# Altium PCB BMS_Slave-X+X.PcbDoc (part 2 of 3) (continued)
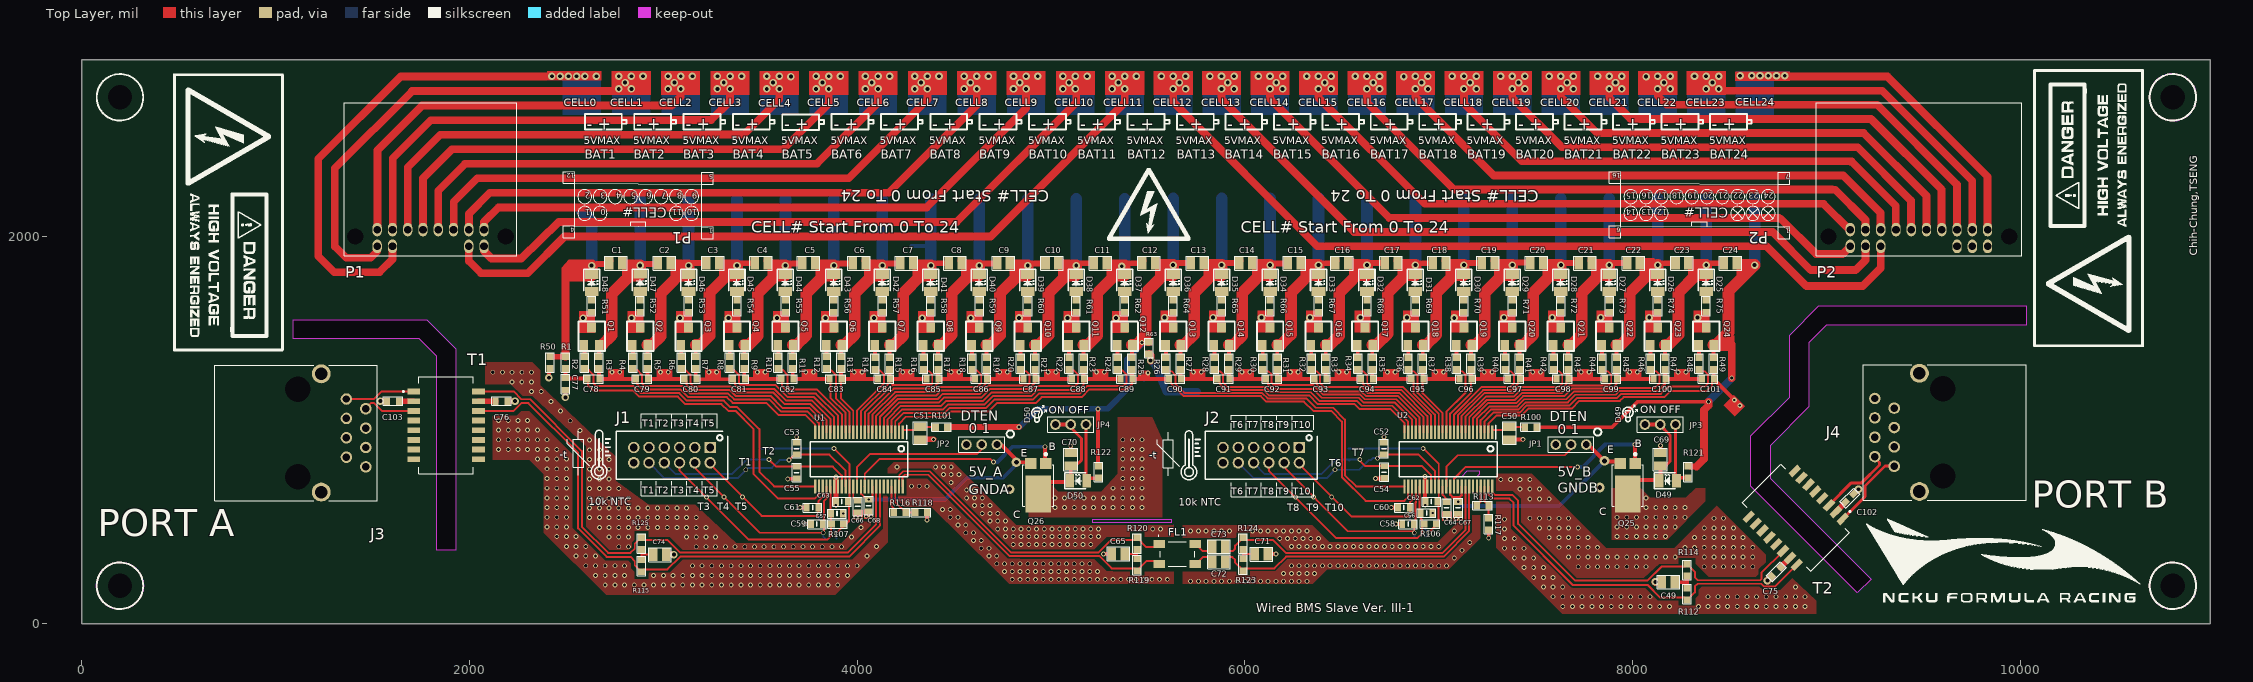
[diagram p0: Top Layer view]
## Nets (pads, with @x,y where several pads share a name; then routed paths per layer and width w, separated by ;. In a path a pad name is that pad's centre, name@x,y a point inside that pad or via, vN(x,y) a via of type N, cw(c..) or ccw(c..) an arc to the next point about the centre after c; other vN are vias at no path point) (continued)
  Top Layer w25: C76.2@2196.5,1149 v2(2234.64,1149) ; C74.2@3016,361 v2@3054.14,361 ; v3(3890,612.79) C63.2@3890,630.66 ; C63.2@3890.68,631.34 v1@3890.68,753.29
  Top Layer w30: C51.2@4325,952.17 v1(4394,952.17)
  other v1: 2700,200 2750,200 2800,200 2850,200 2900,200 2950,200 3000,200 3050,200 3100,200 3150,200 3200,200 3250,200 3300,200 3350,200 3400,200 3450,200 3500,200 3550,200 3600,200 3650,200 3700,200 3750,200 3800,200 3850,200 3900,200 4800,230 4840,230 4880,230 4920,230 4960,230 5000,230 5040,230 5080,230 5120,230 5160,230 5200,230 5240,230 5280,230 5320,230 5360,230 5400,230 5440,230 5480,230 5520,230 5560,230 5600,230 2650,250 2700,250 2750,250 2800,250 2950,250 3000,250 3050,250 3100,250 3150,250 3200,250 3250,250 3300,250 3350,250 3400,250 3450,250 3500,250 3550,250 3600,250 3650,250 3700,250 3750,250 3800,250 3850,250 3900,250 3950,250 4760,270 4800,270 4840,270 4880,270 4920,270 4960,270 5000,270 5040,270 5080,270 5120,270 5160,270 5200,270 5240,270 2600,300 2650,300 2700,300 2750,300 2800,300 3150,300 3200,300 3250,300 3300,300 3350,300 3400,300 3450,300 3500,300 3550,300 3600,300 3650,300 3700,300 3750,300 3800,300 3850,300 3900,300 3950,300 4000,300 4720,310 4760,310 4800,310 4840,310 4880,310 4920,310 4960,310 5000,310 5040,310 5080,310 5120,310 5160,310 5200,310 2550,350 2600,350 2650,350 4050,350 4680,350 4720,350 4640,390 4680,390 2770,398 2820,398 3170,398 3220,398 3270,398 3320,398 3370,398 3420,398 3470,398 3520,398 3570,398 3620,398 3670,398 3720,398 3770,398 3820,398 3870,398 3920,398 2500,400 2550,400 2600,400 4100,400 4805,410 4845,410 4885,410 4925,410 4965,410 5005,410 5045,410 5085,410 5125,410 5165,410 5205,410 4600,430 4640,430 2720,448 2770,448 2820,448 3120,448 3170,448 3220,448 3270,448 3970,448 2450,450 2500,450 2550,450 4765,450 4805,450 4845,450 4885,450 4925,450 4965,450 5005,450 5045,450 5085,450 5125,450 5165,450 5205,450 5245,450 4560,470 4600,470 4725,490 4765,490 4805,490 4845,490 4885,490 4925,490 4965,490 5005,490 5045,490 5085,490 5125,490 5165,490 5205,490 5245,490 5525,490 5565,490 2670,498 2720,498 2770,498 2820,498 2870,498 2920,498 2970,498 3020,498 3070,498 3120,498 3170,498 3220,498 4020,498 2400,500 2450,500 2500,500 4520,510 4560,510 4685,530 4725,530 4765,530 2620,548 2670,548 2720,548 2770,548 2820,548 2870,548 2920,548 2970,548 3020,548 3070,548 3120,548 3170,548 2400,550 2450,550 2500,550 4480,550 4520,550 4645,570 4685,570 4725,570 4440,590 4480,590 2620,598 2670,598 2720,598 2770,598 2820,598 2870,598 2920,598 2970,598 3020,598 3070,598 3120,598 2400,600 2450,600 2500,600 4605,610 4645,610 4685,610 2620,648 2670,648 2720,648 2770,648 2820,648 2400,650 2450,650 2500,650 4565,650 4605,650 4645,650 4565,690 4605,690 2620,698 2670,698 2720,698 2770,698 2400,700 2450,700 2500,700 4280,710 4320,710 4360,710 4485,730 2620,748 2670,748 2720,748 2400,750 2450,750 2500,750 4445,770 4485,770 4525,770 2620,798 2670,798 2720,798 2400,800 2450,800 2500,800 4205,810 4405,810 4445,810 4485,810 2620,848 2670,848 2720,848 2350,850 2400,850 2450,850 2500,850 2620,898 2670,898 2150,900 2200,900 2250,900 2300,900 2350,900 2400,900 2450,900 2620,948 2150,950 2200,950 2250,950 2300,950 2350,950 2400,950 2570,998 2150,1000 2200,1000 2250,1000 2300,1000 2350,1000 2520,1048 2150,1050 2200,1050 2250,1050 2300,1050 2470,1098 2420,1148 2320,1198 2370,1198 2220,1248 2270,1248 2320,1248 2120,1298 2170,1298 2220,1298 2270,1298 2320,1298
  other v2: 3054.14,357.5
  other v3: 3992,550 4015.67,550 4047,555 4072,555
  other v6: 4786.96,695
GNDB: C37.2 C38.2 C39.2 C40.2 C41.2 C42.2 C43.2 C44.2 C45.2 C46.2 C47.2 C48.2 C49.2 C50.2 C52.2 C54.2 C56.2 C58.2 C60.2 C62.2 C64.2 C67.2 C69.2 C71.2 C75.2 J2.1 J2.3 J2.5 J2.7 J2.9 JP1.3 R63.1 R117.2 U2.30 U2.31 | length 915.2
  Top Layer w20: C71.2@6116.83,360 C71.2@6118.75,360 v1(6161.33,360) ; v1@6673.66,750.75 C54.2@6718.17,750.75 ; C52.2@6717.5,935.65 v1(6717.5,964) ; v1(6755,600) C60.2@6788.5,600 ; v1(6780,515) C58.2@6810.68,515 ; v1(6930,760) 6930,631.8 6931.14,630.66 6930.8,630.32 6930.8,612.45 v3(6930.46,612.11) ; C56.2@6969.5,564.13 v3(6969.5,572) ; v1(7258,443) R117.2@7258,484 ; C50.2@7365.32,952.17 v1(7434.32,952.17) ; C69.2@8143.88,891.06 v1(8143.88,920)
  Top Layer w40: R63.1@5505,1394.16 5514,1385.16 v2(5514,1359) ; v2(8118.46,216.5) 8151.08,216.5 C49.2@8151.58,216 ; v2(8695.59,223.31) C75.2@8711.93,239.65
  Bottom Layer w40: v2(5514,1359) 5540.73,1331.12 5558,1287.57 ; 5557.4,1287.36 5595.55,1197.17 C37.2@5755,1197.17
  other v1: 7640,90 7690,90 7740,90 7790,90 7840,90 7890,90 7940,90 7990,90 8040,90 8090,90 8140,90 8190,90 8340,90 8390,90 8440,90 8490,90 8540,90 8590,90 8640,90 8690,90 8740,90 8790,90 8840,90 8890,90 7590,140 7640,140 7690,140 7740,140 7790,140 7840,140 7890,140 7940,140 7990,140 8040,140 8090,140 8390,140 8440,140 8490,140 8540,140 8590,140 8640,140 8690,140 8740,140 8790,140 8840,140 8890,140 7540,190 7590,190 7640,190 8840,190 5720,220 5760,220 5800,220 5840,220 5880,220 5920,220 5960,220 6000,220 6040,220 6080,220 6120,220 6160,220 6200,220 6240,220 6280,220 6320,220 7490,240 7540,240 7590,240 6200,260 6240,260 6280,260 6320,260 6360,260 7440,290 7490,290 7540,290 7720,295 7770,295 7820,295 7870,295 7920,295 7970,295 8020,295 8070,295 8370,295 8420,295 8470,295 8520,295 8570,295 8620,295 6240,300 6280,300 6320,300 6360,300 6400,300 6440,300 6480,300 6520,300 6560,300 6600,300 6640,300 6680,300 6720,300 6760,300 6800,300 6840,300 6880,300 6920,300 6960,300 7000,300 7040,300 7080,340 7390,340 7440,340 7490,340 7670,345 7720,345 7770,345 7820,345 7870,345 7920,345 7970,345 8020,345 8070,345 8120,345 8170,345 8220,345 8370,345 8420,345 8470,345 8520,345 8570,345 8620,345 7120,380 7340,390 7390,390 7440,390 7620,395 7670,395 7720,395 7770,395 7820,395 8270,395 8320,395 8370,395 8420,395 8470,395 8520,395 8570,395 8620,395 6240,400 6280,400 6320,400 6360,400 6400,400 6440,400 6480,400 6520,400 6560,400 6600,400 6640,400 6680,400 6720,400 6760,400 6800,400 6840,400 6880,400 6920,400 6960,400 7000,400 7160,420 6180,440 6220,440 6260,440 6300,440 6340,440 6380,440 7340,440 7390,440 7570,445 7620,445 7670,445 7720,445 7770,445 8320,445 8370,445 8420,445 8470,445 8520,445 8570,445 5720,480 5760,480 5800,480 5840,480 5880,480 5920,480 6040,480 6080,480 6120,480 6160,480 6200,480 6240,480 6280,480 6320,480 7080,480 7340,490 7520,495 7570,495 7620,495 7670,495 7720,495 8370,495 8420,495 8470,495 8520,495 7340,540 7470,545 7520,545 7570,545 7620,545 7670,545 8420,545 8470,545 7470,645 7520,645 7570,645 7420,695 7470,695 7520,695 7320,745 7370,745 7420,745 7470,745 6673.66,750.25
  other v3: 7031.23,542.63 7054.9,542.63 7090.23,543.63 7113.9,543.63
  other v6: 7830.96,703.74
ISO_SPI_BOTTOM_N: FL1.1 R120.1 U1.47 | length 1641.5
  Top Layer w10: U1.47@4216.1,708.9 4216.95,709.74 4216.95,766.79 4237.43,787.27 4374.46,787.27 4792.73,369 5245.77,369 5310.27,433.5 5431.98,433.5 R120.1@5444.48,446 ; R120.1@5444.48,444.5 5492.48,396.5 5540.5,396.5 5553.21,409.21 FL1.1@5561.43,409.21
ISO_SPI_BOTTOM_P: FL1.2 R119.1 U1.48 | length 1611.7
  Top Layer w10: U1.48@4235.79,708.9 4234.95,709.74 4234.95,759.33 4244.89,769.27 4367,769.27 4785.27,351 5247.77,351 5312.27,286.5 5431.98,286.5 R119.1@5444.48,274 ; R119.1@5444.48,275.5 5492.48,323.5 5540.5,323.5 5553.21,310.79 FL1.2@5561.43,310.79
ISO_SPI_MED_N: C73.2 FL1.4 | length 123.1
  Top Layer w10: FL1.4@5740.57,409.21 5749.43,409.21 5783.36,375.28 5819.43,375.28 5834.5,390.35 C73.2@5834.5,399.21
ISO_SPI_MED_P: C72.2 FL1.3 | length 123.1
  Top Layer w10: FL1.3@5740.57,310.79 5749.43,310.79 5783.36,344.72 5819.43,344.72 5825.51,338.64 5825.51,329.79 C72.2@5834.5,320.79
ISO_SPI_TOP_N: C73.1 R124.1 U2.41 | length 1599.2
  Top Layer w10: C73.1@5897.5,399.21 5897.5,390.35 5912.57,375.28 5936.42,375.28 5950,388.86 5950,403.5 5991,444.5 6002,433.5 6145,433.5 6213.25,365.25 ; 6213.25,365.46 7017.46,365.46 7138.84,486.84 7138.84,708.06 U2.41@7137.99,708.9
ISO_SPI_TOP_P: C72.1 R123.2 U2.42 | length 1625.8
  Top Layer w10: C72.1@5897.5,320.79 5897.5,329.65 5912.57,344.72 5936.14,344.72 5950,330.87 5950,316.5 5991,275.5 6002,286.5 6152.04,286.5 6213,347.46 6221,347.46 7024.91,347.46 7156.84,479.38 7156.84,708.06 U2.42@7157.68,708.9
ISOSPI_A_N: R125.2 T1.16 U1.41 | length 2959.8
  Top Layer w10: T1.16@2046.52,1199 2227.78,1199 2267.78,1159 2312.28,1159 2580,891.28 2580,501.28 2715.28,366 2830,366 2852.65,388.65 2852.65,413.14 2885.51,446 R125.2@2887.01,446 2899.51,433.5 3021.28,433.5 3087.28,367.5 3950.28,367.5 4097.99,515.21 U1.41@4097.99,708.9
ISOSPI_A_P: R115.1 T1.14 U1.42 | length 3004.7
  Top Layer w10: T1.14@2056.48,1108.96 T1.14@2046.52,1099 2227.78,1099 2267.78,1139 2304,1139 2560,883 2560,493 2707,346 2831,346 2852.65,324.35 2852.65,301.86 2885.51,269 R115.1@2887.01,269 2899.51,281.5 3021.28,281.5 3087.28,347.5 3958.57,347.5 4117.68,506.61 4117.68,708.58 U1.42@4117.99,708.9
ISOSPI_B_N: R112.2 T2.16 U2.47 | length 2032.6
  Top Layer w10: U2.47@7256.1,708.9 7257.01,707.99 7257.01,665.09 7276.1,646 7364.94,646 7386.62,624.32 7386.62,506.6 7692.6,200.62 8078,200.62 8142.62,136 8268.5,136 R112.2@8281,123.5 8282.5,123.5 8322,163 8322,193 8336,207 8664.59,207 8679.28,192.31 8734.8,192.31 T2.16@8847.29,304.8
ISOSPI_B_P: R114.1 T2.14 U2.48 | length 1955.9
  Top Layer w10: U2.48@7275.79,708.9 7275.79,679.37 7289.91,665.25 7378.75,665.25 7410,634 7410,516.28 7702.28,224 8078,224 8150,296 8268.5,296 R114.1@8281,308.5 8282.5,308.5 8322,269 8322,240 8337,225 8658.73,225 8664.59,230.86 8664.59,263.52 T2.14@8776.58,375.51
NetC49_1: C49.1 R112.1 R114.2 | length 124.2
  Top Layer w20: C49.1@8218.42,216 8219.92,214.5 8281,214.5 ; R112.1@8281,185.5 8281,214.5 ; R114.2@8281,246.5 8281,214.5
NetC50_1: C50.1 R100.1 U2.1 | length 188.9
  Top Layer w10: U2.1@7275.79,988.43 7275.79,999.21 7275.01,999.99 7350.16,1000 7365.32,1015.16 7445.09,1015.16 R100.1@7445.58,1014.67
NetC51_1: C51.1 R101.1 U1.1 | length 187
  Top Layer w10: U1.1@4235.79,988.43 4235.79,999.17 4236.69,1000.08 4309.92,1000.08 4325,1015.16 4325.49,1014.67 R101.1@4405.27,1014.67
NetC52_1: C52.1 J2.10 R102.1 U2.33 | length 1199.4
  Top Layer w10: v1(6685,854.72) 6703.94,873.66 C52.1@6713.66,873.66 ; C52.1@6717.5,873.66 6896.5,873.66 6980.51,789.65 U2.33@6980.51,708.9
  Bottom Layer w10: J2.10@5966.26,831.26 6045.52,752 6422,752 v5(6465,795) 6590,795 R102.1@6640,845 ; R102.1@6650,845.5 6650.5,845 6660.22,854.72 v1(6685,854.72)
NetC53_1: C53.1 J1.10 R103.1 U1.33 | length 1216.3
  Top Layer w10: v1(3649,846) 3676.66,873.66 C53.1@3689,873.66 ; C53.1@3688,873.66 C53.1@3689,873.66 ; U1.33@3940.51,708.9 3940.51,789.65 3856.5,873.66 C53.1@3689,873.66
  Bottom Layer w10: J1.10@2926.26,831.26 3005.52,752 3385,752 3425,792 v5(3425,795) 3428,795 3438,805 3560,805 3599.34,844.34 R103.1@3600,845 ; R103.1@3600,843.68 3602.32,846 v1(3649,846)
NetC54_1: C54.1 J2.8 R104.1 U2.32 | length 1072.5
  Top Layer w10: v5(6593,848) 6593,842.24 6621.5,813.74 C54.1@6718.66,813.74 ; C54.1@6718.66,813.23 C54.1@6718.66,813.74 ; U2.32@6960.83,708.9 6960.83,767.36 6914.44,813.74 6760,813.74 C54.1@6718.66,813.74
  Bottom Layer w10: J2.8@6045,831.26 6103.74,772.52 6394.14,772.52 6461.62,840 6469.62,848 v5(6593,848) ; R104.1@6535,846 R104.1@6538.76,842.24
NetC55_1: C55.1 J1.8 R105.1 U1.32 | length 1063
  Top Layer w10: v5(3545,848) 3581.5,811.5 C55.1@3687,811.5 ; C55.1@3687,810.5 C55.1@3687,811.5 ; U1.32@3920.83,708.9 3920.83,765.11 3874.44,811.5 C55.1@3687,811.5
  Bottom Layer w10: J1.8@3005,831.26 3063.74,772.52 3354.14,772.52 3421.62,840 3429.62,848 v5(3545,848)
NetC56_1: C56.1 J2.6 R106.1 U2.29 | length 1248.4
  Top Layer w10: J2.6@6123.74,831.26 6123.74,790.02 6470.76,443 6890.44,443 6913.5,466.06 R106.1@6913.5,515 ; U2.29@6901.77,708.9 6901.77,590.43 6909.42,582.79 6909.42,574.91 C56.1@6906.5,572 ; C56.1@6907.5,572 C56.1@6906.5,572 ; R106.1@6926.5,515 R106.1@6913.5,515 ; C56.1@6906.5,572 6906.5,545.5 6913.5,538.5 R106.1@6913.5,515
  other v5: 6262,654.4
NetC57_1: C57.1 J1.6 R107.1 U1.29 | length 1240
  Top Layer w10: J1.6@3083.74,831.26 3083.74,791.15 3220.49,654.4 v5(3222,654.4) 3222,652.89 3440.32,434.57 3845.9,434.57 3864.41,453.08 R107.1@3864.41,520.09 ; C57.1@3861.77,568.76 U1.29@3861.77,708.9 ; C57.1@3864.41,568.76 R107.1@3864.41,520.09 ; R107.1@3869.5,515 R107.1@3864.41,520.09
NetC58_1: C58.1 J2.4 R108.1 U2.28 | length 1095.6
  Top Layer w10: J2.4@6202.48,831.26 6202.48,807.02 6531.5,478 6866.21,478 v1@6873.94,470.27 ; C58.1@6869.21,510.54 6873.94,505.82 v1@6873.94,470.27 ; C58.1@6873.67,515 6879.3,520.63 6879.3,624.3 6882.09,627.09 U2.28@6882.09,708.9 ; v1(6874.21,470) v1@6873.94,470.27
  Bottom Layer w10: v1(6874.21,470) 6874.21,451.39 R108.1@6875.5,450.11
  other v5: 6353.76,654.4
NetC59_1: C59.1 J1.4 R109.1 U1.28 | length 1107.8
  Top Layer w10: J1.4@3162.48,831.26 3162.48,806.04 3498.52,470 v1(3825,470) 3828.67,473.67 C59.1@3828.67,510.54 ; C59.1@3823.67,515 3828.67,515 3828.67,633.67 3842.09,647.09 U1.28@3842.09,708.9
  Bottom Layer w10: v1(3825,470) 3825,450.5 R109.1@3835.5,440
  other v5: 3313.76,654.4
NetC60_1: C60.1 J2.2 R110.1 U2.27 | length 868.9
  Top Layer w10: J2.2@6281.22,823.18 6549.4,555 6841.5,555 v1(6851.5,565) 6851.5,600 6851.5,627.16 6862.4,638.06 U2.27@6862.4,708.9
  Bottom Layer w10: R110.1@6851.5,530 v1(6851.5,565)
  other v5: 6448,654.4
NetC61_1: C61.1 J1.2 R111.1 U1.27 | length 874.3
  Top Layer w10: J1.2@3241.22,831.26 3241.22,823.18 3507.4,557 3796.08,557 v1(3802.72,563.64) 3802.72,567.28 3801.5,568.5 3801.5,634.58 3822.4,655.48 U1.27@3822.4,708.9
  Bottom Layer w10: v1(3802.72,563.64) 3802.72,538.78 R111.1@3811.5,530
  other v5: 3408,654.4
NetC62_1: C62.1 R102.2 R104.2 R106.2 R108.2 R110.2 U2.34 | length 983.1
  Top Layer w10: v1(6920,905.16) 7000.2,824.96 U2.34@7000.2,708.9 C62.1@7000.2,630.66 ; v1(6948.48,471) 6985,507.52 6980.51,512.01 R106.2@6983.5,515 ; R106.2@6985.5,515 R106.2@6983.5,515 ; C62.1@6993.14,630.66 6999,624.8 6999,530.5 R106.2@6983.5,515
  Bottom Layer w10: R104.2@6535,905 6649.5,905 R102.2@6650,904.5 ; R102.2@6650,905.16 v1(6920,905.16) ; R110.2@6910.5,530 6910.5,508.98 v1(6948.48,471) 6948.48,466.94 6934.5,452.97 R108.2@6934.5,450.11
NetC63_1: C63.1 R103.2 R105.2 R107.2 R109.2 R111.2 U1.34 | length 995.8
  Top Layer w10: v1(3880,905.16) 3960.2,824.96 U1.34@3960.2,708.9 3960.2,651.2 3959,650 3959,636.67 C63.1@3952.99,630.66 ; v1(3892,467) 3928.5,503.5 3928.5,515 3944,515 3957.68,528.68 C63.1@3957.68,630.66
  Bottom Layer w10: R105.2@3495,904.5 R103.2@3600,904.5 ; R103.2@3600,905.68 3600.52,905.16 v1(3880,905.16) ; R111.2@3870.5,530 3881.5,519 3881.5,481.29 3892,470.79 3892,442.5 R109.2@3894.5,440
NetC64_1: C64.1 U2.35 | length 88.1
  Top Layer w10: U2.35@7019.88,708.9 7019.88,665.12 7041,644 C64.1@7041,629.5
NetC65_1: C65.1 R119.2 R120.2 | length 116.5
  Top Layer w10: C65.1@5378.5,361 5444.48,361 ; R119.2@5444.48,335 5444.48,361 ; R120.2@5444.48,385.5 5444.48,361
NetC66_1: C66.1 U1.35 | length 86
  Top Layer w10: U1.35@3979.88,708.9 3979.88,652.12 3990.33,641.67 3998.83,641.67 C66.1@4003,637.5
NetC67_1: C67.1 JP1.1 Q25.2 U2.37 U2.40 | length 1256.4
  Top Layer w10: 7059.25,666.65 U2.37@7059.25,708.9 ; 7118.31,663.31 U2.40@7118.31,708.9 ; JP1.1@7760,923.89 JP1.1@7761.11,925
  Top Layer w12: 7059.25,666.65 7073.91,652 ; 7107,652 7118.31,663.31
  Top Layer w14: 7073.91,652 7100,652 ; v3(7100,630.5) 7100,652 ; 7107,652 7100,652
  Top Layer w20: JP1.1@7760,923.89 7772.11,923.89 v6(7855,841) 7857.65,838.35 Q25.2@7939.38,838.35
  Bottom Layer w20: v3(7100,630.5) 7122.5,608 7622,608 v6(7855,841)
NetC69_1: C69.1 D49.1 JP3.2 JP3.3 Q25.3 | length 627.3
  Top Layer w15: JP3.2@8142.66,1024.72 8193.36,974.02 8193.36,838.36 C69.1@8170.24,815.24
  Top Layer w20: Q25.3@7965,682.17 8025.55,742.72 D49.1@8137.03,742.72 ; JP3.3@8065.14,1039.57 8076.05,1028.66 JP3.2@8142.66,1028.66 ; JP3.2@8142.66,1024.72 JP3.2@8142.66,1028.66 ; D49.1@8143.88,749.57 8143.88,815.24 C69.1@8170.24,815.24 ; JP3.2@8143.88,1039.57 8142.66,1039.57 JP3.2@8142.66,1028.66
  other v1: 7920,450 7970,450 8020,450 8070,450 8120,450 8170,450 7920,500 7970,500 8020,500 8070,500 8120,500 8170,500 8220,500 7920,550 7970,550 8020,550 8070,550 8120,550 8170,550 8220,550 8270,550 8070,600 8120,600 8170,600 8220,600 8270,600 8070,650
NetC70_1: C70.1 D50.1 JP4.2 JP4.3 Q26.3 | length 626.3
  Top Layer w10: Q26.3@4934.46,670.67 Q26.3@4995.6,731.81 ; D50.1@5094.67,731.81 D50.1@5101.52,738.66 ; C70.1@5101.52,817.17 C70.1@5129.5,817.17 ; JP4.2@5101.52,1012.59 JP4.2@5101.52,1028.66
  Top Layer w15: JP4.2@5101.52,1012.59 5157,957.11 5157,844.66 C70.1@5129.5,817.17
  Top Layer w20: Q26.3@4995.6,731.81 D50.1@5094.67,731.81 ; JP4.3@5022.78,1028.66 JP4.2@5101.52,1028.66 ; D50.1@5101.52,738.66 C70.1@5101.52,815.24 C70.1@5101.52,817.17
  other v1: 5020,600 5070,600 5120,600 5170,600 5220,600 5270,600 5320,600 5370,600 5420,600 5470,600 5020,650 5070,650 5120,650 5170,650 5220,650 5270,650 5320,650 5370,650 5420,650 5470,650 5320,700 5370,700 5420,700 5470,700 5370,750 5420,750 5470,750 5370,800 5420,800 5470,800 5370,850 5420,850 5470,850 5370,900 5420,900 5470,900 5370,950 5420,950 5470,950
NetC71_1: C71.1 R123.1 R124.2 | length 113.8
  Top Layer w10: R123.1@5991,334.5 5991,360 ; R124.2@5991,385.5 5991,360 ; C71.1@6053.84,360 5991,360
NetC74_1: C74.1 R115.2 R125.1 | length 116.6
  Top Layer w10: R115.2@2887.01,331 2887.01,357.5 ; R125.1@2887.01,384 2887.01,357.5 ; C74.1@2949.17,361 2945.67,357.5 2887.01,357.5
NetC75_1: C75.1 T2.15 | length 68.9
  Top Layer w30: C75.1@8763.56,291.28 8763.56,291.72 8811.93,340.1 T2.15@8811.93,340.16
NetC76_1: C76.1 T1.15 | length 87
  Top Layer w30: T1.15@2046.52,1149 C76.1@2133.5,1149
NetC102_1: C102.1 T2.2 | length 69.9
  Top Layer w30: T2.2@9048.84,577.07 T2.2@9048.84,577.07 9097.73,626.01 C102.1@9097.73,626.73
NetC103_1: C103.1 T1.2 | length 75
  Top Layer w30: C103.1@1636.5,1149 T1.2@1711.48,1149
NetD25_2: D25.2 R75.1 | length 51.1
  Top Layer w20: R75.1@8380,1668.16 D25.2@8380,1719.29
NetD26_2: D26.2 R74.1 | length 51.1
  Top Layer w20: R74.1@8130,1668.16 D26.2@8130,1719.29
NetD27_2: D27.2 R73.1 | length 51.1
  Top Layer w20: R73.1@7880,1668.16 D27.2@7880,1719.29
NetD28_2: D28.2 R72.1 | length 51.1
  Top Layer w20: R72.1@7630,1668.16 D28.2@7630,1719.29
NetD29_2: D29.2 R71.1 | length 51.1
  Top Layer w20: R71.1@7380,1668.16 D29.2@7380,1719.29
NetD30_2: D30.2 R70.1 | length 51.1
  Top Layer w20: R70.1@7130,1668.16 D30.2@7130,1719.29
NetD31_2: D31.2 R69.1 | length 51.2
  Top Layer w20: D31.2@6879.84,1719.29 6879.92,1719.21 6879.92,1668.24 R69.1@6880,1668.16
NetD32_2: D32.2 R68.1 | length 51.1
  Top Layer w20: R68.1@6630,1668.16 D32.2@6630,1719.29
NetD33_2: D33.2 R67.1 | length 51.1
  Top Layer w20: R67.1@6380,1668.16 D33.2@6380,1719.29
NetD34_2: D34.2 R66.1 | length 51.1
  Top Layer w20: R66.1@6130,1668.16 D34.2@6130,1719.29
NetD35_2: D35.2 R65.1 | length 51.1
  Top Layer w20: R65.1@5880,1668.16 D35.2@5880,1719.29
NetD36_2: D36.2 R64.1 | length 51.1
  Top Layer w20: R64.1@5630,1668.16 D36.2@5630,1719.29
NetD37_2: D37.2 R62.1 | length 51.1
  Top Layer w20: R62.1@5380,1668.16 D37.2@5380,1719.29
NetD38_2: D38.2 R61.1 | length 51.1
  Top Layer w20: R61.1@5130,1668.16 D38.2@5130,1719.29
NetD39_2: D39.2 R60.1 | length 51.1
  Top Layer w20: R60.1@4880,1668.16 D39.2@4880,1719.29
NetD40_2: D40.2 R59.1 | length 51.1
  Top Layer w20: R59.1@4630,1668.16 D40.2@4630,1719.29
NetD41_2: D41.2 R58.1 | length 51.1
  Top Layer w20: R58.1@4380,1668.16 D41.2@4380,1719.29
NetD42_2: D42.2 R57.1 | length 51.1
  Top Layer w20: R57.1@4130,1668.16 D42.2@4130,1719.29
NetD43_2: D43.2 R56.1 | length 51.1
  Top Layer w20: R56.1@3880,1668.16 D43.2@3880,1719.29
NetD44_2: D44.2 R55.1 | length 51.1
  Top Layer w20: R55.1@3630,1668.16 D44.2@3630,1719.29
NetD45_2: D45.2 R54.1 | length 51.1
  Top Layer w20: R54.1@3380,1668.16 D45.2@3380,1719.29
NetD46_2: D46.2 R53.1 | length 51.1
  Top Layer w20: R53.1@3130,1668.16 D46.2@3130,1719.29
NetD47_2: D47.2 R52.1 | length 50.5
  Top Layer w20: R52.1@2880,1668.16 R52.1@2880.08,1668.24 ; D47.2@2880.08,1718.5 D47.2@2880.16,1718.58 ; R52.1@2880.31,1668.48 D47.2@2880.31,1718.74
NetD48_2: D48.2 R51.1 | length 44.2
  Top Layer w20: R51.1@2630,1675.08 D48.2@2630,1719.29
NetD49_2: D49.2 JP3.1 R121.1 | length 338
  Top Layer w15: D49.2@8222.62,754.16 JP3.1@8222.62,1028.66
  Top Layer w20: D49.2@8222.62,754.16 R121.1@8286.14,754.16
NetD50_2: D50.2 JP4.1 R122.1 | length 361.2
  Top Layer w10: D50.2@5180.26,738.66 D50.2@5192.98,751.38 ; R122.1@5242.22,751.38 R122.1@5245,754.16
  Top Layer w15: D50.2@5180.26,738.66 JP4.1@5180.26,1028.66
  Top Layer w20: D50.2@5192.98,751.38 R122.1@5242.22,751.38
NetJ3_1: J3.1 T1.1 | length 363.2
  Top Layer w10: J3.1@1365,1160 1365.71,1159.29 1507.04,1159.29 1546.74,1199 T1.1@1711.48,1199
NetJ3_2: J3.2 T1.3 | length 277.4
  Top Layer w10: J3.2@1465,1110 1465,1113.65 1490.64,1139.29 1507.45,1139.29 1547.74,1099 T1.3@1711.48,1099
NetJP1_2: JP1.2 U2.36 | length 805.8
  Top Layer w10: U2.36@7039.57,708.9 7039.57,810.27 7099.33,870.04 7651.4,870.04 7682.37,901 JP1.2@7682.37,925
NetJP2_2: JP2.2 U1.36 | length 805.8
  Top Layer w10: U1.36@3999.57,708.9 3999.57,810.27 4065.3,876 4617.37,876 4642.37,901 JP2.2@4642.37,925
NetQ1_1: Q1.1 R2.2 | length 60.2
  Top Layer w20: R2.2@2592.6,1378.16 Q1.1@2592.6,1438.39
NetQ1_3: Q1.3 R51.2 R76.1 | length 80.2
  Top Layer w20: Q1.3@2630,1528.94 R51.2@2630,1609.16
  other v2: 2585.91,1577.6
NetQ2_1: Q2.1 R4.2 | length 60.2
  Top Layer w20: R4.2@2842.83,1378.4 Q2.1@2842.83,1438.62
NetQ2_3: Q2.3 R52.2 R77.1 | length 80.2
  Top Layer w20: Q2.3@2880.24,1529.17 R52.2@2880.24,1609.4
  other v2: 2836.14,1577.83
NetQ3_1: Q3.1 R6.2 | length 60.2
  Top Layer w20: R6.2@3092.6,1378.16 Q3.1@3092.6,1438.39
NetQ3_3: Q3.3 R53.2 R78.1
  other v2: 3085.91,1577.6
NetQ4_1: Q4.1 R8.2 | length 60.2
  Top Layer w20: R8.2@3342.6,1378.16 Q4.1@3342.6,1438.39
NetQ4_3: Q4.3 R54.2 R79.1
  other v2: 3335.91,1577.6
NetQ5_1: Q5.1 R10.2 | length 60.2
  Top Layer w20: R10.2@3592.6,1378.16 Q5.1@3592.6,1438.39
NetQ5_3: Q5.3 R55.2 R80.1
  other v2: 3585.91,1577.6
NetQ6_1: Q6.1 R12.2 | length 60.2
  Top Layer w20: R12.2@3842.6,1378.16 Q6.1@3842.6,1438.39
NetQ6_3: Q6.3 R56.2 R81.1
  other v2: 3835.91,1577.6
NetQ7_1: Q7.1 R14.2 | length 65.2
  Top Layer w20: R14.2@4092.6,1373.16 Q7.1@4092.6,1438.39
NetQ7_3: Q7.3 R57.2 R82.1
  other v2: 4085.91,1577.6
NetQ8_1: Q8.1 R16.2 | length 65.2
  Top Layer w20: R16.2@4342.6,1373.16 Q8.1@4342.6,1438.39
NetQ8_3: Q8.3 R58.2 R83.1
  other v2: 4335.91,1577.6
NetQ9_1: Q9.1 R18.2 | length 65.2
  Top Layer w20: R18.2@4592.6,1373.16 Q9.1@4592.6,1438.39
NetQ9_3: Q9.3 R59.2 R84.1
  other v2: 4585.91,1577.6
NetQ10_1: Q10.1 R20.2 | length 65.2
  Top Layer w20: R20.2@4842.6,1373.16 Q10.1@4842.6,1438.39
NetQ10_3: Q10.3 R60.2 R85.1
  other v2: 4835,1578.66
NetQ11_1: Q11.1 R22.2 | length 65.2
  Top Layer w20: R22.2@5092.6,1373.16 Q11.1@5092.6,1438.39
NetQ11_3: Q11.3 R61.2 R86.1
  other v2: 5085.91,1577.6
NetQ12_1: Q12.1 R24.2 | length 65.2
  Top Layer w20: R24.2@5342.6,1373.16 Q12.1@5342.6,1438.39
NetQ12_3: Q12.3 R62.2 R87.1
  other v2: 5335.91,1577.6
NetQ13_1: Q13.1 R26.2 | length 65.2
  Top Layer w20: R26.2@5592.6,1373.16 Q13.1@5592.6,1438.39
NetQ13_3: Q13.3 R64.2 R88.1
  other v2: 5585.91,1580.1
NetQ14_1: Q14.1 R28.2 | length 65.2
  Top Layer w20: R28.2@5842.6,1373.16 Q14.1@5842.6,1438.39
NetQ14_3: Q14.3 R65.2 R89.1
  other v2: 5835.91,1580.1
NetQ15_1: Q15.1 R30.2 | length 65.2
  Top Layer w20: R30.2@6092.6,1373.16 Q15.1@6092.6,1438.39
NetQ15_3: Q15.3 R66.2 R90.1
  other v2: 6085.91,1580.1
NetQ16_1: Q16.1 R32.2 | length 65.2
  Top Layer w20: R32.2@6342.6,1373.16 Q16.1@6342.6,1438.39
NetQ16_3: Q16.3 R67.2 R91.1
  other v2: 6335.91,1580.1
NetQ17_1: Q17.1 R34.2 | length 65.2
  Top Layer w20: R34.2@6582.6,1373.16 Q17.1@6582.6,1438.39
NetQ17_3: Q17.3 R68.2 R92.1
  other v2: 6595.91,1580.1
NetQ18_1: Q18.1 R36.2 | length 65.2
  Top Layer w20: R36.2@6842.6,1373.16 Q18.1@6842.6,1438.39
NetQ18_3: Q18.3 R69.2 R93.1
  other v2: 6835.91,1580.1
NetQ19_1: Q19.1 R38.2 | length 65.2
  Top Layer w20: R38.2@7092.6,1373.16 Q19.1@7092.6,1438.39
NetQ19_3: Q19.3 R70.2 R94.1
  other v2: 7080,1578.66
NetQ20_1: Q20.1 R40.2 | length 65.2
  Top Layer w20: R40.2@7342.6,1373.16 Q20.1@7342.6,1438.39
NetQ20_3: Q20.3 R71.2 R95.1
  other v2: 7335.91,1580.1
NetQ21_1: Q21.1 R42.2 | length 65.2
  Top Layer w20: R42.2@7592.6,1373.16 Q21.1@7592.6,1438.39
NetQ21_3: Q21.3 R72.2 R96.1
  other v2: 7585.91,1580.1
NetQ22_1: Q22.1 R44.2 | length 65.2
  Top Layer w20: R44.2@7842.6,1373.16 Q22.1@7842.6,1438.39
NetQ22_3: Q22.3 R73.2 R97.1
  other v2: 7835.91,1580.1
NetQ23_1: Q23.1 R46.2 | length 65.2
  Top Layer w20: R46.2@8092.6,1373.16 Q23.1@8092.6,1438.39
NetQ23_3: Q23.3 R74.2 R98.1
  other v2: 8085.91,1580.1